# Altium PCB STM32F103C8T6.PcbDoc
Units mil, origin at the board's own origin, x right, y up, seen from the top; angles counter-clockwise.
Board outline 2460.63 x 2214.57 mil, 2 copper layers (Top Layer, Bottom Layer); 55 components, 55 nets, 218 pads, 86 vias.
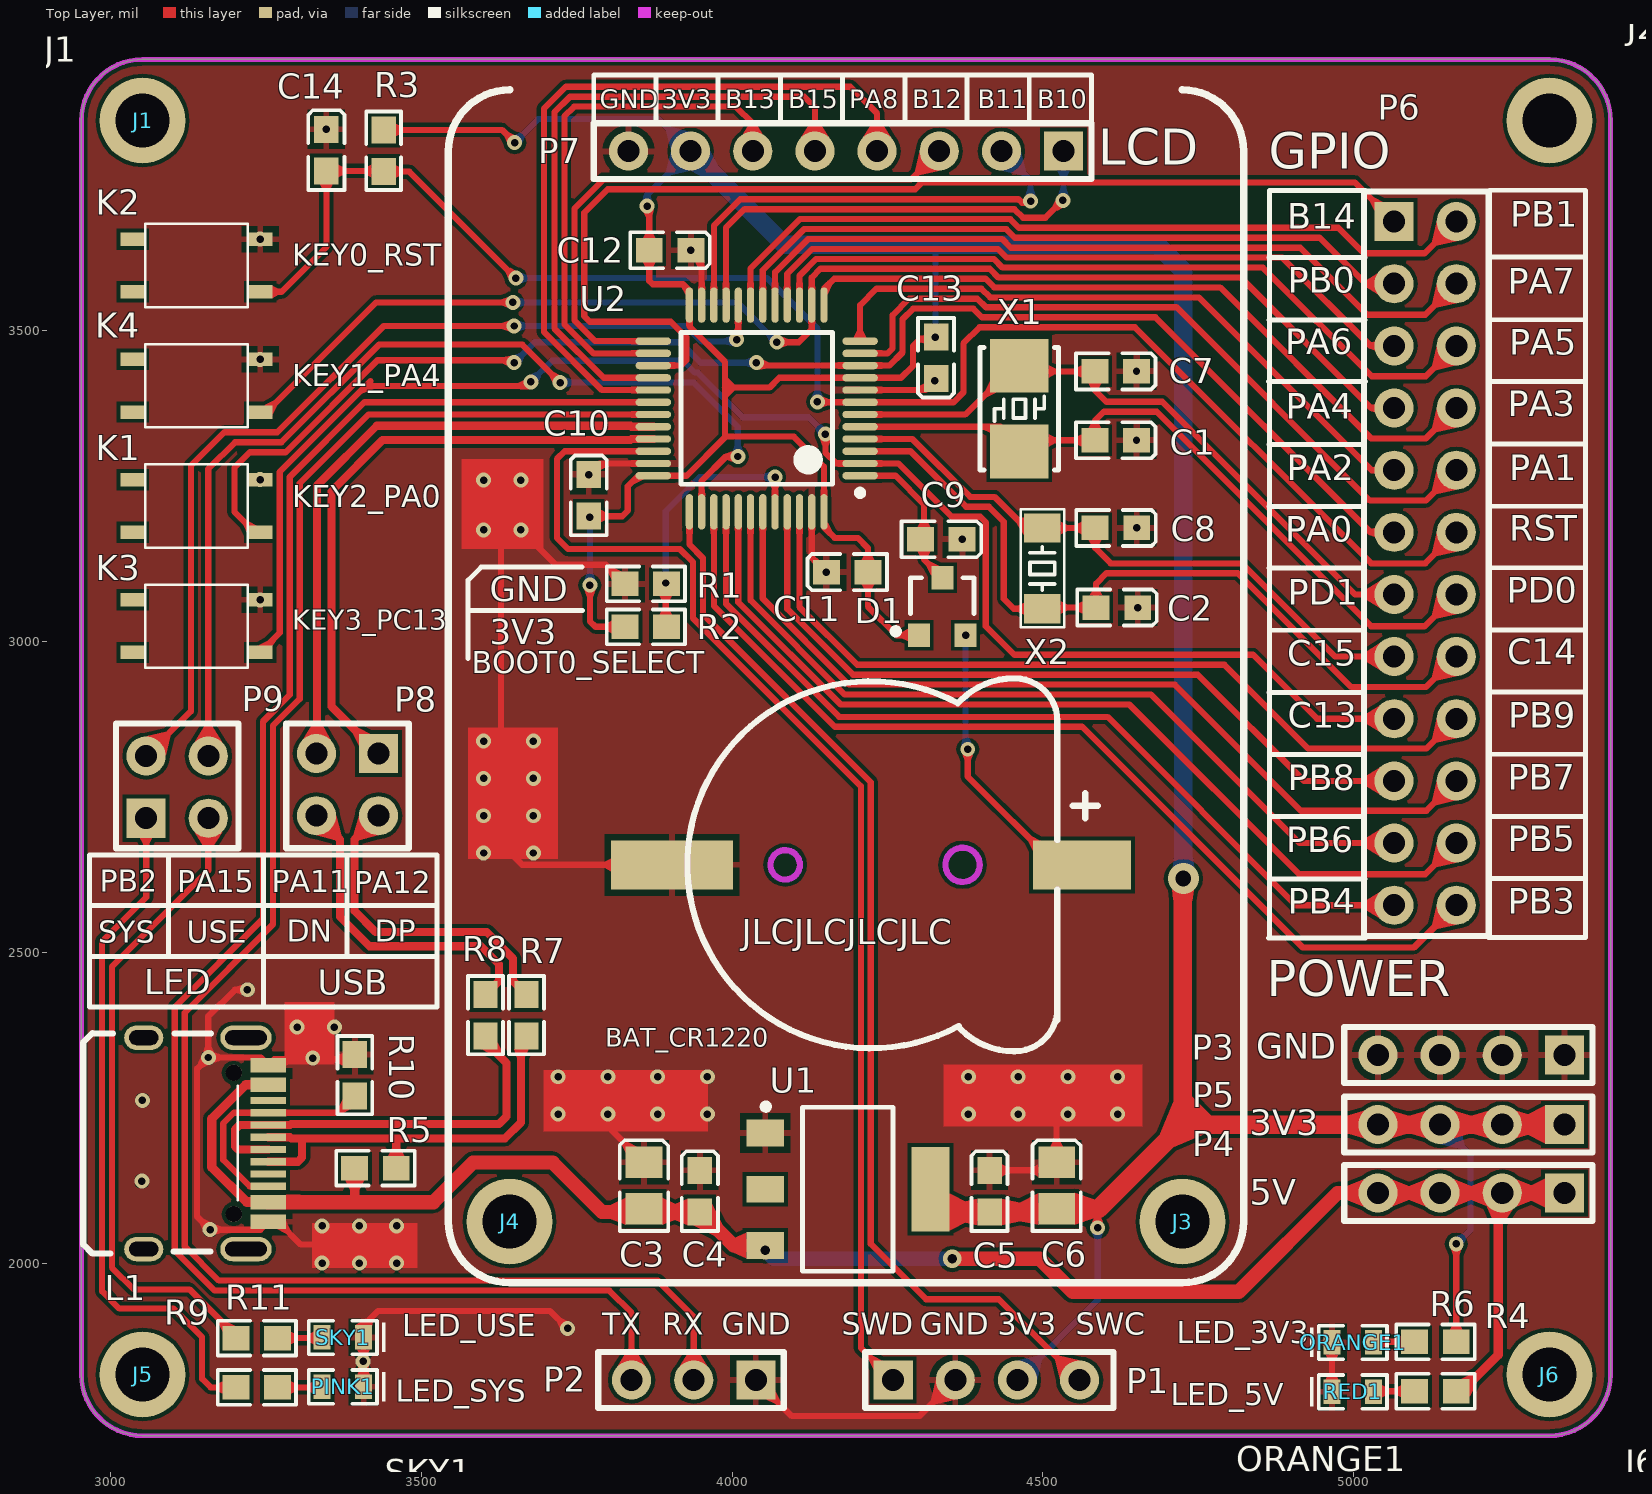
[diagram p0: Top Layer view]
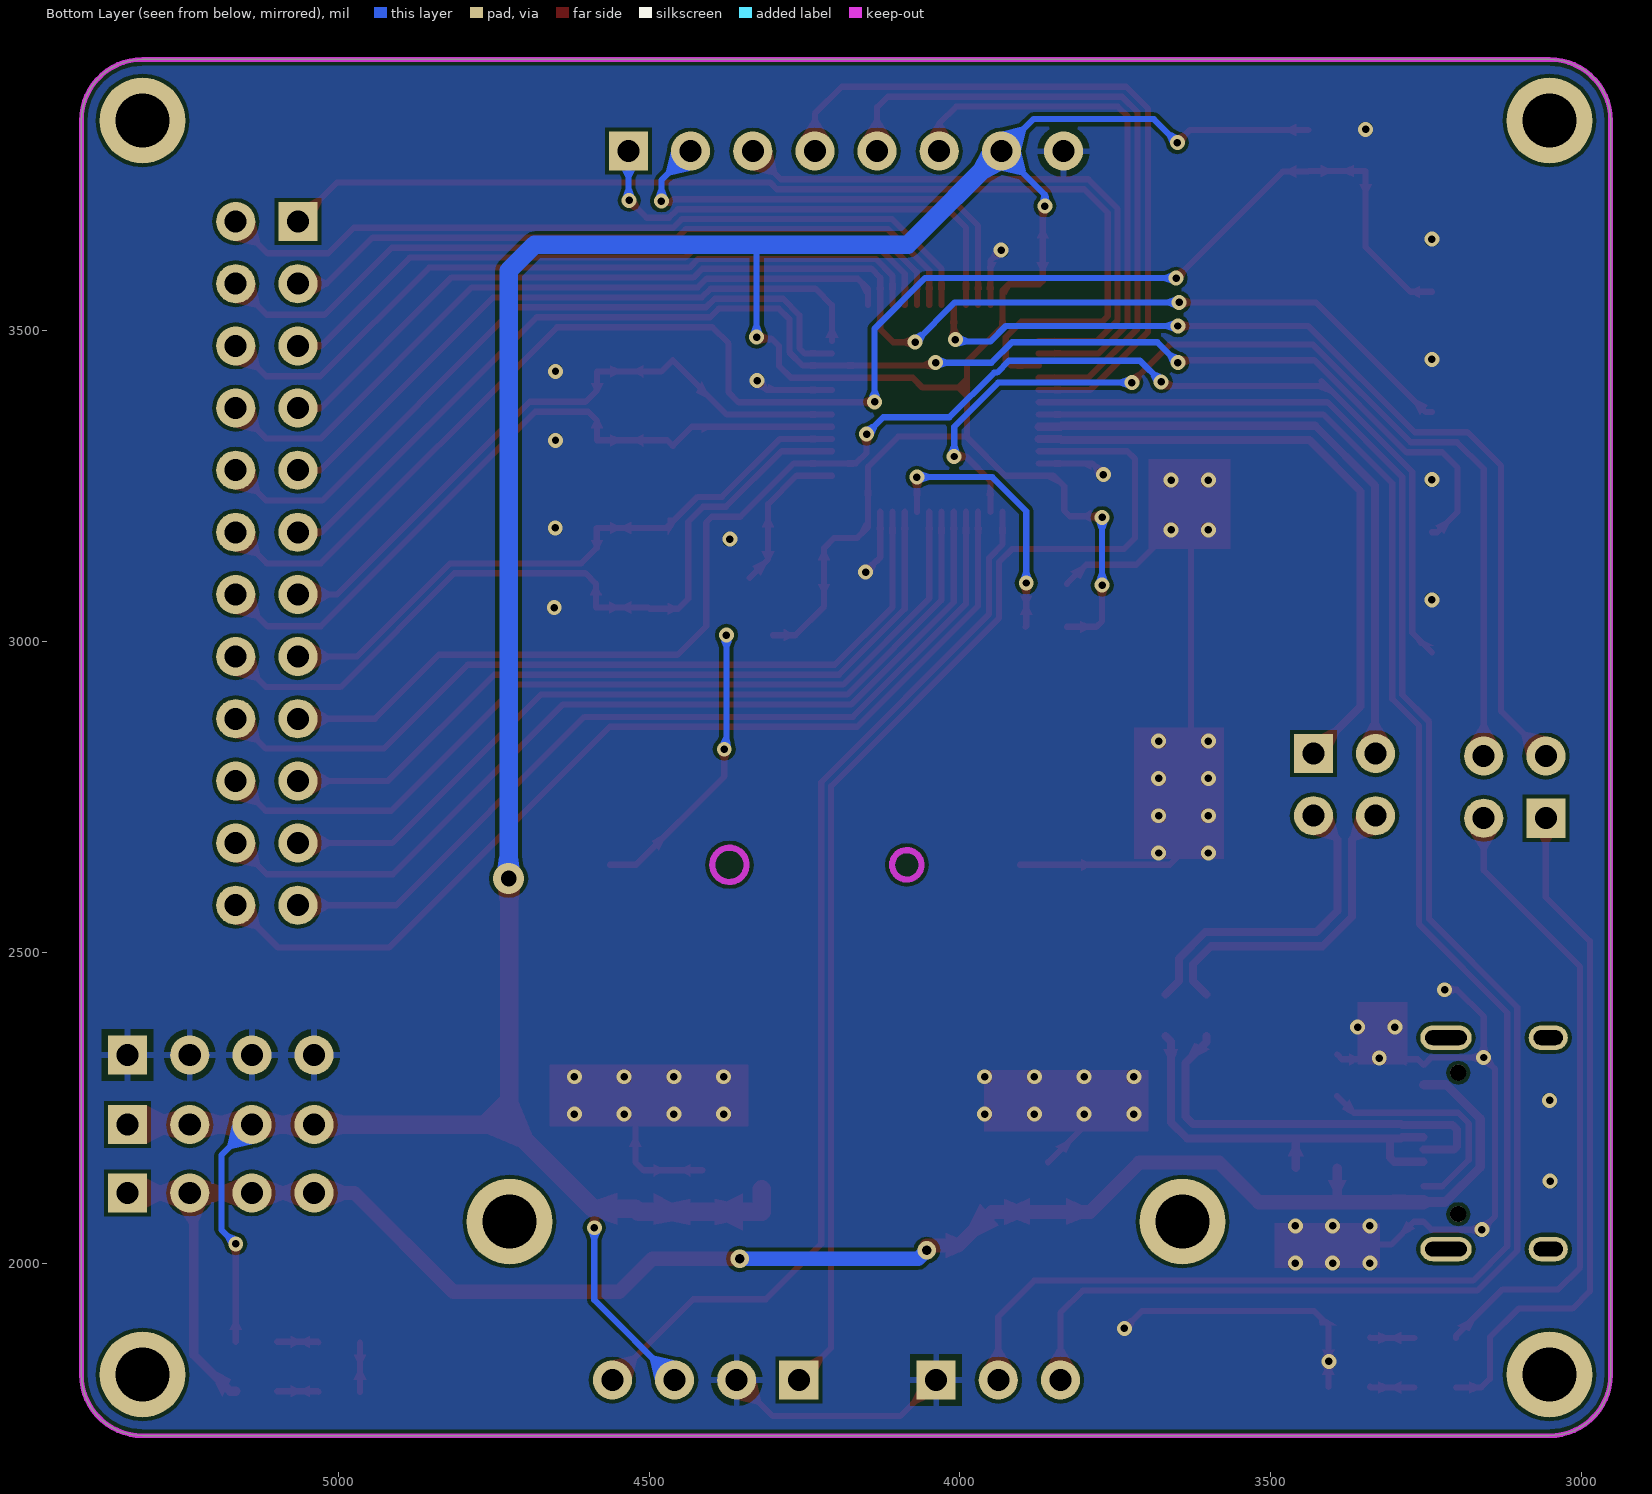
[diagram p1: Bottom Layer view, seen from below]
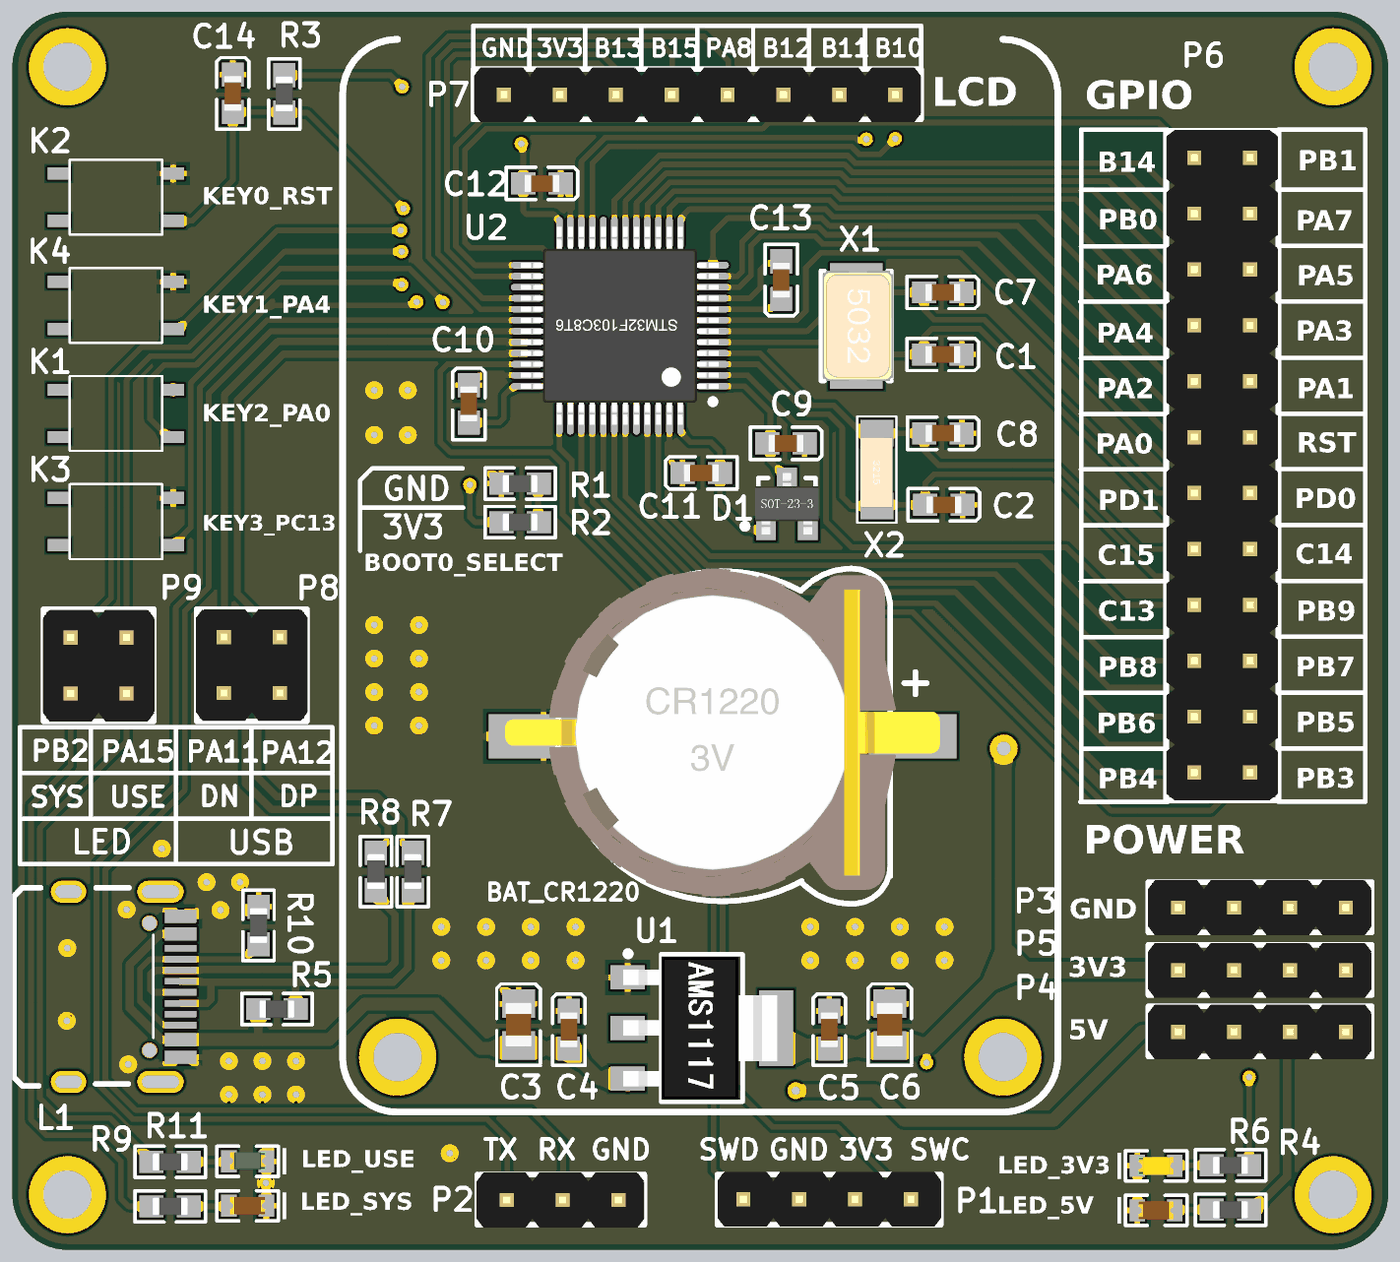
[diagram p2: 3D render of the assembled board from above, using the file's embedded part models]

## Layer stack, top to bottom
Top Solder: solder mask 0.4, Solder Resist, Dk 3.5
Top Layer: signal copper 1.4
Dielectric 1: dielectric 12.6, FR-4, Dk 4.8
Bottom Layer: signal copper 1.4
Bottom Solder: solder mask 0.4, Solder Resist, Dk 3.5

## Board outline
2952.76,1820.87 ccw(c3051.18,1820.87) 3051.18,1722.44 5314.96,1722.44 ccw(c5314.96,1820.87) 5413.39,1820.87 5413.39,3838.58 ccw(c5314.96,3838.58) 5314.96,3937.01 3051.18,3937.01 ccw(c3051.18,3838.58) 2952.76,3838.58

## Design rules (kind name [scope] priority, off if disabled: settings)
Clearance [All] p1: gap=6 ignorepadtopadclearanceinfootprint=FALSE
DiffPairsRouting [All] p1: maxlimit=10 minlimit=10 mostfreqgap=10 toplayer_minwidth=6 toplayer_maxwidth=15 toplayer_prefwidth=15 bottomlayer_minwidth=6 bottomlayer_maxwidth=15 bottomlayer_prefwidth=15 maxuncoupledlength=500
PolygonConnect [All] p1: thpad.connectstyle=Relief thpad.reliefconductorwidth=10 thpad.reliefentries=4 thpad.polygonreliefangle="90 Angle" thpad.airgapwidth=10 smdpad.connectstyle=Relief smdpad.reliefconductorwidth=10 smdpad.reliefentries=4 smdpad.polygonreliefangle="90 Angle" smdpad.airgapwidth=10 via.connectstyle=Relief via.reliefconductorwidth=10 via.reliefentries=4 via.polygonreliefangle="90 Angle" via.airgapwidth=0
RoutingVias [All] p1: holewidth=12 width=24 viastyle="Through Hole" minholewidth=12 minwidth=24 maxholewidth=100 maxwidth=100
SolderMaskExpansion [All] p1: expansion=4
Width [All] p1: maxlimit=100 minlimit=6 preferedwidth=10 minimp=50.000000 maximp=50.000000 favimp=50.000000
29 further rules are at their usual default settings.

## Classes and differential pairs
differential pair USBR: +USBR_P -USBR_N
differential pair USBIN: +USBIN_P -USBIN_N
differential pair USB: +USB_P -USB_N

## Components (designator, comment, footprint, x,y, rotation, side; value= is the part's Value field where it differs from the comment)
BAT_CR1220 "CR1220" CR1220-B 4563,2641 r0 top (schematic designator BAT1)
C1 "22pF" Cap-0603 4617,3324 r180 top
C2 "12pF" Cap-0603 4619,3055 r180 top
C3 "22uF" Cap-0805 3858,2125 r270 top
C4 "104" Cap-0603 3948,2116 r270 top
C5 "104" Cap-0603 4414,2116 r270 top
C6 "22uF" Cap-0805 4522,2125 r270 top
C7 "22pF" Cap-0603 4617,3435 r180 top
C8 "12pF" Cap-0603 4617.46,3183 r180 top
C9 "104" Cap-0603 4336.54,3165 r180 top
C10 "104" Cap-0603 3769,3235.46 r270 top
C11 "104" Cap-0603 4185,3112 r0 top
C12 "104" Cap-0603 3900,3630 r180 top
C13 "104" Cap-0603 4328,3457 r90 top
C14 "104" Cap-0603 3347,3791 r270 top
D1 "DIODE SCHOTTKY_2" SOT23-3 4338,3056.74 r0 top
J1 "HOLE_2mm" HOLE_2mm_1 3051.18,3838.58 r0 top
J2 "HOLE_2mm" HOLE_2mm_1 5314.96,3838.58 r0 top
J3 "HOLE_2mm" HOLE_2mm_1 4724.41,2066.93 r0 top
J4 "HOLE_2mm" HOLE_2mm_1 3641.73,2066.93 r0 top
J5 "HOLE_2mm" HOLE_2mm_1 3051.18,1820.87 r0 top
J6 "HOLE_2mm" HOLE_2mm_1 5314.96,1820.87 r0 top
K1 "KEY" SW-SMD-3X4X2.5 3138,3218.44 r180 top
K2 "KEY" SW-SMD-3X4X2.5 3138,3605.32 r180 top
K3 "KEY" SW-SMD-3X4X2.5 3138,3025 r180 top
K4 "KEY" SW-SMD-3X4X2.5 3138,3411.88 r180 top
L1 "Micro-USB3.1_TYPE-C" USB3.0-TYPEC-12P 3253.71,2318.76 r0 top
ORANGE1 "POWER_3V3" LED_0603_Y 4998.54,1872.53 r180 top
P1 "Header_4" "Header 2.54X4" 4409,1812 r0 top
P2 "Header_3" "Header 2.54X3" 3938,1812 r180 top
P3 "Header_4" "Header 2.54X4" 5189,2335 r180 top
P4 "Header_4" "Header 2.54X4" 5189,2113 r180 top
P5 "Header_4" "Header 2.54X4" 5189,2223 r180 top
P6 "Header_2X12" "Header 2.54_2X12" 5115,3126 r270 top
P7 "LCD" "Header 2.54X8" 4183.07,3789.37 r180 top
P8 "Header_2X2" "Header 2.54_2X2" 3381,2770 r180 top
P9 "Header_2X2" "Header 2.54_2X2" 3107,2766 r0 top
PINK1 "LED_SYSTEM" LED_0603_R 3373.45,1801.07 r0 top
R1 "10K" Res-0603 3861,3093 r180 top
R2 "NC" Res-0603 3861,3024 r180 top
R3 "10K" Res-0603 3439,3790 r90 top
R4 "4.7K" Res-0603 5131.54,1794 r0 top
R5 "1K5" Res-0603 3426,2153 r0 top
R6 "4.7K" Res-0603 5131.54,1873.53 r0 top
R7 "22R" Res-0603 3669,2399 r270 top
R8 "22R" Res-0603 3603,2399 r270 top
R9 "4.7K" Res-0603 3235,1800.07 r180 top
R10 "5K1" Res-0603 3393,2302.46 r270 top
R11 "4.7K" Res-0603 3235,1879.6 r180 top
RED1 "POWER_5V" LED_0603_R 4998.54,1793 r180 top
SKY1 "LED_USER" LED_0603_B 3373.45,1880.6 r0 top
U1 "AMS1117" AMS1117 4186,2119 r270 top
U2 "STM32F103C8T6" STM32F103C8T6 4039.37,3375.39 r180 top
X1 "8M" "OSC 5032-2P" 4462,3375 r270 top
X2 "32.768K" "OSC 3215-2P" 4499,3118 r270 top

## Footprints (in the part's own frame and the unit in brackets; to place one, negate y for a bottom-side part, rotate by r counter-clockwise, add the part's x,y. Pads: shape width x height; smd on the part's side, far side on the other; paste and mask are expansions set on the pad)
AMS1117 [mm]
  rect 1.1x1.55 smd: 1(-2.3,-3.375) 2(0,-3.375) 3(2.3,-3.375)
  rect 3.45x1.55 smd: 4(0,3.375)
  silkscreen extent -3.5,-3.48 3.35,1.85, body extent -3.25,-3.58 3.25,3.42, height 1.85
Cap-0603 [mm]
  rect 1.1x1 smd: 1(-0.85,0) 2(0.85,0)
  silkscreen extent -1.63,-0.74 1.63,0.74, body extent -0.8,-0.4 0.8,0.4, height 0.6
Cap-0805 [mm]
  rect 1.3x1.5 smd: 1(-0.95,0) 2(0.95,0)
  silkscreen extent -1.85,-0.99 1.85,0.99, body extent -1,-0.6 1,0.6, height 0.95
CR1220-B [mm]
  rect 4x2 smd: 1(0,0)
  rect 5x2 smd: 2(-16.764,0)
  Keep-Out Layer circle w0.254: c-12.136,0 r0.6
  Keep-Out Layer circle w0.254: c-4.886,0 r0.7
  silkscreen extent -16.13,-7.62 0.64,7.62, body extent -18.51,-7.28 1.24,7.62, height 4.05
"Header 2.54_2X2" [mm]
  rect 1.6x1.6 hole 0.9: 1(-1.27,-1.27)
  round 1.6 hole 0.9: 2(1.27,-1.27) 3(1.27,1.27) 4(-1.27,1.27)
  silkscreen extent -2.5,-2.5 2.5,2.6, body extent -2.54,-2.5 2.54,2.58, height 8.6
"Header 2.54_2X12" [mm]
  rect 1.6x1.6 hole 0.9: 1(-13.97,-1.27)
  round 1.6 hole 0.9: 2(-11.43,-1.27) 3(-8.89,-1.27) 4(-6.35,-1.27) 5(-3.81,-1.27) 6(-1.27,-1.27) 7(1.27,-1.27) 8(3.81,-1.27) 9(6.35,-1.27) 10(8.89,-1.27) 11(11.43,-1.27) 12(13.97,-1.27) 13(13.97,1.27) 14(11.43,1.27) 15(8.89,1.27) 16(6.35,1.27) 17(3.81,1.27) 18(1.27,1.27) 19(-1.27,1.27) 20(-3.81,1.27) 21(-6.35,1.27) 22(-8.89,1.27) 23(-11.43,1.27) 24(-13.97,1.27)
  silkscreen extent -15.2,-2.5 15.23,2.6, body extent -15.24,-2.5 15.24,2.58, height 8.6
"Header 2.54X3" [mm]
  rect 1.6x1.6 hole 0.9: 1(-2.54,0)
  round 1.6 hole 0.9: 2(0,0) 3(2.54,0)
  silkscreen extent -3.68,-1.14 3.9,1.14, body extent -3.68,-1.23 3.94,1.27, height 8.3
"Header 2.54X4" [mm]
  rect 1.6x1.6 hole 0.9: 1(-3.81,0)
  round 1.6 hole 0.9: 2(-1.27,0) 3(1.27,0) 4(3.81,0)
  silkscreen extent -4.95,-1.14 5.19,1.14, body extent -4.95,-1.23 5.21,1.27, height 8.3
"Header 2.54X8" [mm]
  rect 1.6x1.6 hole 0.9: 1(-8.89,0)
  round 1.6 hole 0.9: 2(-6.35,0) 3(-3.81,0) 4(-1.27,0) 5(1.27,0) 6(3.81,0) 7(6.35,0) 8(8.89,0)
  silkscreen extent -10.03,-1.14 10.31,1.14, body extent -10.03,-1.23 10.29,1.27, height 8.3
HOLE_2mm_1 [mm]
  round 3.5 hole 2.2: 1(0,0)
LED_0603_B [mm]
  rect 0.7x1 smd: 1(-0.85,0) 2(0.85,0)
  silkscreen extent -1.4,-0.69 1.75,0.69, body extent -0.8,-0.38 0.8,0.42, height 0.61
LED_0603_R [mm]
  rect 0.7x1 smd: 1(-0.85,0) 2(0.85,0)
  silkscreen extent -1.4,-0.69 1.75,0.69, body extent -0.8,-0.4 0.8,0.41, height 0.61
LED_0603_Y [mm]
  rect 0.7x1 smd: 1(-0.85,0) 2(0.85,0)
  silkscreen extent -1.4,-0.69 1.75,0.69, body extent -0.8,-0.4 0.8,0.41, height 0.61
"OSC 3215-2P" [mm]
  rect 1.2x1.5 smd: 1(-1.65,0) 2(1.65,0)
  silkscreen extent -2.41,-0.89 2.41,0.89, body extent -1.47,-0.76 1.73,0.74, height 0.61
"OSC 5032-2P" [mm]
  rect 2.2x2.4 smd: 1(-1.75,0) 2(1.75,0)
  silkscreen extent -2.5,-1.6 2.5,1.6, body extent -2.5,-1.52 2.5,1.68, height 0.86
Res-0603 [mm]
  rect 1.1x1 smd: 1(-0.85,0) 2(0.85,0)
  silkscreen extent -1.6,-0.71 1.6,0.71, body extent -0.8,-0.4 0.8,0.4, height 0.38
SOT23-3 [mm]
  rect 0.9x0.95 smd: 1(-0.95,-1.175) 2(0.95,-1.175) 3(0,1.175)
  silkscreen extent -2.03,-1.14 1.3,1.18, body extent -1.45,-1.4 1.45,1.4, height 1.2
STM32F103C8T6 [mm] "QFP, 100-Leads, Body 14.00x20.00mm, Pitch 0.65mm, IPC Medium Density"
  oval 1.45x0.3 smd: 1(-4.225,2.75) 2(-4.225,2.25) 3(-4.225,1.75) 4(-4.225,1.25) 5(-4.225,0.75) 6(-4.225,0.25) 7(-4.225,-0.25) 8(-4.225,-0.75) 9(-4.225,-1.25) 10(-4.225,-1.75) 11(-4.225,-2.25) 12(-4.225,-2.75) 25(4.225,-2.75) 26(4.225,-2.25) 27(4.225,-1.75) 28(4.225,-1.25) 29(4.225,-0.75) 30(4.225,-0.25) 31(4.225,0.25) 32(4.225,0.75) 33(4.225,1.25) 34(4.225,1.75) 35(4.225,2.25) 36(4.225,2.75)
  oval 0.3x1.45 smd: 13(-2.75,-4.225) 14(-2.25,-4.225) 15(-1.75,-4.225) 16(-1.25,-4.225) 17(-0.75,-4.225) 18(-0.25,-4.225) 19(0.25,-4.225) 20(0.75,-4.225) 21(1.25,-4.225) 22(1.75,-4.225) 23(2.25,-4.225) 24(2.75,-4.225) 37(2.75,4.225) 38(2.25,4.225) 39(1.75,4.225) 40(1.25,4.225) 41(0.75,4.225) 42(0.25,4.225) 43(-0.25,4.225) 44(-0.75,4.225) 45(-1.25,4.225) 46(-1.75,4.225) 47(-2.25,4.225) 48(-2.75,4.225)
  silkscreen extent -4.35,-3.1 3.1,3.57, body extent -4.5,-4.5 4.5,4.5, height 1.6
SW-SMD-3X4X2.5 [mm]
  rect 1x0.55 smd: 1(-2.6,1.075) 2(2.6,1.075) 3(-2.6,-1.075) 4(2.6,-1.075)
  silkscreen extent -2.1,-1.7 2.1,1.7, body extent -2.16,-1.75 2.16,1.78, height 0.55
USB3.0-TYPEC-12P [mm]
  oval 1.6x1 hole 0.6 slot 1.2 at 0 deg: 0(-5.095,-7.52) 0(-5.095,1.12)
  oval 2.1x1 hole 0.6 slot 1.7 at 0 deg: 0(-0.915,-7.52) 0(-0.915,1.12)
  round 0.66 hole 0.66: 4(-1.415,-6.09) 4(-1.415,-0.31)
  rect 1.45x0.6 smd: A1B12(0,0) A4B9(0,-0.8) B1A12(0,-6.4) B4A9(0,-5.6)
  rect 1.45x0.3 smd: A5(0,-1.95) A6(0,-2.95) A7(0,-3.45) A8(0,-4.45) B5(0,-4.95) B6(0,-3.95) B7(0,-2.45) B8(0,-1.45)
  silkscreen extent -7.57,-7.7 -1.25,1.3

## Part data
BAT_CR1220: "纽扣电池座"
C1 C2 C3 C4 C5 C6 C7 C8 C9 C10 C11 C12 C13 C14: library part CAP, "贴片陶瓷电容"
D1: "双肖特基二极管"
J1 J2 J3 J4 J5 J6: "定位孔"
ORANGE1: library part LED_SMD_ORANGE, "发光二极管", Package=0603, SuppliersPartNumber=C72038, ComponentLink1Description=供应商链接, ComponentLink1URL=http://www.szlcsc.com/product/details_73147.html, Supplier=LC
P7: library part Header_8
PINK1: library part LED_SMD_PINK, "发光二极管", Package=0603, SuppliersPartNumber=C2286, ComponentLink1Description=供应商链接, ComponentLink1URL=http://www.szlcsc.com/product/details_2659.html, Supplier=LC
R1 R2 R3 R4 R5 R6 R7 R8 R9 R10 R11: library part RES, "贴片电阻"
RED1: library part LED_SMD_RED, "发光二极管", Package=0603, SuppliersPartNumber=C2286, ComponentLink1Description=供应商链接, ComponentLink1URL=http://www.szlcsc.com/product/details_2659.html, Supplier=LC
SKY1: library part LED_SMD_BLUE_SKY, "发光二极管", Package=0603, SuppliersPartNumber=C72041, ComponentLink1Description=供应商链接, ComponentLink1URL=http://www.szlcsc.com/product/details_73150.html, Supplier=LC
U2: "ARM Cortex-M3 32-bit MCU, 64 KB Flash, 20 KB Internal RAM, 37 I/Os, 48-pin LQFP, -40 to 85 degC, Tray", I/Os (High Current)=37, Operating Frequency(F) (Processor speed) (MHz)=72, Supplier Part Number 1=497-6063-ND, Supply Voltage(Vcc) min (V)=2, A/D Converter="2x12-bit (10 Channel)", ComponentLink1Description="Manufacturer URL", ComponentLink1URL=http://www.st.com/web/en/home.html, ComponentLink2Description=Datasheet, ComponentLink2URL=http://www.st.com/st-web-ui/static/active/en/resource/technical/document/datasheet/CD00161566.pdf, ComponentLink3Description="Package Specification", ComponentLink3URL=http://www.st.com/st-web-ui/static/active/en/resource/technical/document/datasheet/DM00058181.pdf, Core="ARM Cortex-M3", DatasheetVersion="Rev. 16", FLASH Size (Prog) (kB)=64, Internal RAM Size (kB)=20, Mounting Technology="Surface Mount", PackageDescription="48-Pin Low Profile Quad Flat Package, 7 x 7 mm Body, 0.5 mm Pitch", PackageReference=LQFP48, PackageVersion="Rev. 6, 06/2013", Packing=Tray, PartNumber=STM32F103C8T6, Supplier 1=Digi-Key, Supplier 2=Farnell, Supplier 3=Newark, Supplier 4=Newark, Supplier 5=Mouser, Supplier Part Number 2=1447637, Supplier Part Number 3=59M2182, Supplier Part Number 4=57P1222, Supplier Part Number 5=511-STM32F103C8T6
X1 X2: library part XTAL-2P, "2脚无源脚晶振"

## Via types
v1: diameter 24, hole 12, Top Layer to Bottom Layer, 83 vias
v2: diameter 30, hole 15, Top Layer to Bottom Layer, 2 vias
v3: diameter 50, hole 25, Top Layer to Bottom Layer, 1 vias

## Nets (pads, with @x,y where several pads share a name; then routed paths per layer and width w, separated by ;. In a path a pad name is that pad's centre, name@x,y a point inside that pad or via, vN(x,y) a via of type N, cw(c..) or ccw(c..) an arc to the next point about the centre after c; other vN are vias at no path point)
3V3: C5.2 C6.2 C10.2 C11.2 C12.2 C13.2 D1.1 P1.3 P5.1 P5.2 P5.3 P5.4 P7.7 R2.2 R3.2 R6.2 U1.4 U2.9 U2.24 U2.36 U2.48 | length 6803.2
  Top Layer w10: R3.2 3629.54,3823.46 v1(3650,3803) ; v1(3771,3091) 3771,3033 3780,3024 R2.2 ; v1(3771,3200) C10.2 3823,3202 3832,3211 3832,3250 3849.12,3267.12 U2.36 3926.52,3267.12 3988.4,3329 ; v1(3863,3701) 3866.54,3697.46 C12.2 3866.54,3580.46 3872,3575 3921,3575 3931.1,3564.9 U2.24 3931.1,3507.53 3988.4,3450.23 3988.4,3409 ; D1.1 4264.52,3010.48 4218.46,3056.54 C11.2 4218.46,3150.54 4202,3167 4165,3167 4147.64,3184.36 U2.48 4147.64,3281.36 4099,3330 3989.4,3330 3988.4,3329 ; C13.2@4326,3486.93 4301.93,3486.93 4291,3476 4291,3444 4271.6,3424.6 U2.9 4075.6,3424.6 4060,3409 3988.4,3409 ; v1(4588,2057) 4588,2086 4589.6,2087.6 ; R6.2 v1(5165,2031) ; 3988.4,3329 3988.4,3409
  Top Layer w30: U1.4 4318.87,2082.54 C5.2 4516.94,2082.54 C6.2 4589.6,2087.6 4725,2223 ; v3(4726,2619) 4725,2620 4725,2223 ; P5.1 P5.2 P5.3 P5.4 4725,2223
  Bottom Layer w10: v1(3650,3803) 3688,3841 3881.44,3841 P7.7 3863,3719.3 v1(3863,3701) ; v1(3771,3091) v1(3771,3200) ; v1(4327,3490) 4327,3636 4330,3639 ; P1.3 4588,1941 v1(4588,2057) ; P5.3 5188,2174 5188,2054 v1(5165,2031)
  Bottom Layer w30: P7.7 4083.44,3639 4330,3639 4684,3639 4726,3597 v3(4726,2619)
5V: C3.2 C4.2 L1.A4B9 L1.B4A9 P4.1 P4.2 P4.3 P4.4 R4.2 R5.1 U1.3 | length 2982.1
  Top Layer w15: L1.B4A9 3218.71,2098.29 3162.5,2154.5 3162.5,2232.5 3217.27,2287.27 L1.A4B9 ; R5.1 3392.54,2099.76 3394,2098.29 ; R4.2 5174,1794 5232.56,1852.56 5232.56,2113 P4.2
  Top Layer w23: L1.B4A9 3394,2098.29 3519.29,2098.29 3583,2162 3711,2162 3790.46,2082.54 C4.2 4002.09,2028.45 U1.3 v2(4053.13,2020.87) ; v2(4354,2007) 4495,2007 4548,1954 4815,1954 4974,2113 P4.4 P4.3 P4.2@5232.56,2113 ; P4.2 P4.1
  Bottom Layer w23: v2(4053.13,2020.87) 4067,2007 v2(4354,2007)
A0: P7.3 U2.25 | length 946
  Top Layer w10: U2.25 3779.6,3483.65 3746,3517.25 3746,3697 3793,3744 4287.7,3744 P7.3
BLK: P7.1 U2.21 | length 776.1
  Top Layer w10: U2.21 3990.16,3666.53 4019.63,3696 4454,3696 4468,3682 4504,3682 v1(4532,3710)
  Bottom Layer w10: v1(4532,3710) 4533.07,3711.07 P7.1
CS: P7.2 U2.22 | length 760.2
  Top Layer w10: U2.22 3970.47,3669.47 4013,3712 4460.63,3712 4466.63,3706 4480,3706 v1(4480,3709)
  Bottom Layer w10: P7.2 4480,3742.44 v1(4480,3709)
GND: BAT_CR1220.2 C1.1 C2.1 C3.1 C4.1 C5.1 C6.1 C7.1 C8.1 C9.1 C10.1 C11.1 C12.1 C13.1 C14.1 K1.3 K2.3 K3.3 K4.3 L1.A1B12 L1.B1A12 ORANGE1.2 P1.2 P2.1 P3.1 P3.2 P3.3 P3.4 P7.8 PINK1.2 R1.2 R10.1 RED1.2 SKY1.2 U1.1 U2.8 U2.23 U2.35 U2.47 | length 3757.3
  Top Layer w10: v1(3220,2440) 3200,2440 3157,2397 v1(3157,2331) ; R10.1 3385.07,2328 3262.94,2328 L1.A1B12 3241.47,2331 v1(3157,2331) ; PINK1.2 SKY1.2 3406.91,1899.91 3430,1923 3707,1923 v1(3735,1895) ; 3411,2030 3306,2030 3269.2,2066.8 L1.B1A12 3240.91,2054 v1(3160,2054) 3139,2075 3139,2313 v1(3157,2331) ; 3628,3231 3628,2675 3662,2641 BAT_CR1220.2 ; v1(3660,3180) 3716,3124 3796.54,3124 R1.2 ; 3726,2259 3761.4,2259 C3.1 ; v1(3769,3268.93) 3786.87,3286.8 U2.35 ; v1(3933.46,3630) 3950.79,3612.68 U2.23 ; P2.1 4096,1754 4301,1754 P1.2 ; U2.47 4127.95,3135.58 v1(4151.54,3112) ; U2.8 4310.91,3404.91 v1(4326,3420) ; C5.1 4509.06,2149.46 C6.1 4522,2258 4500,2280 ; RED1.2 ORANGE1.2
  other v1: 3406,1842 3340,2000 3400,2000 3460,2000 3340,2060 3400,2060 3460,2060 3050,2132 3720,2240 3800,2240 3880,2240 3960,2240 4380,2240 4460,2240 4540,2240 4620,2240 3051,2262 3720,2300 3800,2300 3880,2300 3960,2300 4380,2300 4460,2300 4540,2300 4620,2300 3325,2330 3300,2380 3360,2380 3600,2660 3680,2660 3600,2720 3680,2720 3600,2780 3680,2780 3600,2840 3680,2840 4652.46,3055 3240.36,3067.32 4370,3165 3600,3180 4650.93,3183 3600,3260 3660,3260 3240.36,3260.76 4650.46,3324 4650.46,3435 3240.36,3454.2 3240.36,3647.65 3347,3824.46
NetBAT1_1: BAT_CR1220.1 D1.2 | length 471.8
  Top Layer w10: v1(4379,2827) 4379,2783 4521,2641 BAT_CR1220.1
  Bottom Layer w10: v1(4375.4,3010.48) 4375.4,2830.6 v1(4379,2827)
NetL1_A5: L1.A5 L1.B5 R10.2 | length 379.1
  Top Layer w10: L1.B5 3223.39,2123.88 3181,2166.27 3181,2224.84 3198.16,2241.99 L1.A5 3365.99,2241.99 R10.2
NetORANGE1_1: ORANGE1.1 R6.1 | length 66.5
  Top Layer w10: ORANGE1.1 5033,1873.53 R6.1
NetP9_1: P9.1 R9.2 | length 1109.4
  Top Layer w10: P9.1 3057,2589 2986,2518 2986,1955 3014,1927 3101,1927 3147,1881 3147,1814 3160.93,1800.07 R9.2
NetP9_2: P9.2 R11.2 | length 1035.7
  Top Layer w10: P9.2 3157,2632 3002,2477 3002,1993 3037.23,1957.77 3126.77,1957.77 3201.54,1883 R11.2
NetPINK1_1: PINK1.1 R9.1 | length 71.9
  Top Layer w10: R9.1 3338.98,1800.07 PINK1.1
NetR1_1: R1.1 R2.1 U2.44 | length 443.2
  Top Layer w10: R2.1 3893,3025.46 v1(3893,3094.46) R1.1 ; U2.44 v1(4068.9,3264.9)
  Bottom Layer w10: v1(3893,3094.46) 3893,3210 3947.9,3264.9 v1(4068.9,3264.9)
NetR4_1: R4.1 RED1.1 | length 66.5
  Top Layer w10: RED1.1 5033,1794 R4.1
NetR11_1: R11.1 SKY1.1 | length 71.9
  Top Layer w10: R11.1 3338.98,1879.6 SKY1.1
NRST: C14.2 K2.1 P6.19 R3.1 U2.7 | length 2575.5
  Top Layer w10: K2.1 3275,3563 3347,3635 C14.2 ; C14.2@3347.54,3757 C14.2 ; v1(3652,3585) 3480.46,3756.54 R3.1 3438,3757.54 C14.2 ; v1(4137,3386) 4137.77,3385.23 U2.7 4356.23,3385.23 4372,3401 4372,3480 4398,3506 4648,3506 5028,3126 5115,3126 P6.19
  Bottom Layer w10: v1(3652,3585) 4056,3585 4137,3504 v1(4137,3386)
OSC32_IN: C2.2 P6.17 U2.3 X2.2 | length 1279.2
  Top Layer w10: U2.3 4286.88,3306.49 4376.37,3217 4413,3217 4437,3193 4437,3069 4452.96,3053.04 X2.2 4500.96,3055 C2.2 4585.54,3093.54 4602,3110 4813.37,3110 4996.37,2927 5116,2927 P6.17
OSC32_OUT: C8.2 P6.8 U2.4 X2.1 | length 1023.1
  Top Layer w10: U2.4 4289.83,3326.17 4383,3233 4422,3233 4472.04,3182.96 X2.1 X2.1 C8.2 4584,3151 4609,3126 4820,3126 4970,2976 P6.8
OSC_IN: C1.2 P6.18 U2.5 X1.2 | length 1177.3
  Top Layer w10: U2.5 4431.24,3345.86 4462,3315.1 4470.9,3324 C1.2 4583.54,3355.54 4598,3370 4683,3370 5028,3025 5114,3025 P6.18
OSC_OUT: C7.2 P6.7 U2.6 X1.1 | length 1069.5
  Top Layer w10: U2.6 4374.65,3365.54 4462,3452.9 4479.9,3435 C7.2 4583.54,3404.46 4602,3386 4692,3386 5002,3076 P6.7
PA0: K1.1 P6.6 U2.10 | length 2315.7
  Top Layer w10: K1.1 3231.88,3176.12 3199,3209 3199,3280 3224,3305 3281.25,3305 3429.25,3453 3638.75,3453 v1@3649,3442.75 ; v1(4039,3449) 4043.72,3444.28 U2.10 4252.91,3444.28 4274,3465.37 4274,3519 4291,3536 4387.73,3536 4401.73,3522 4681,3522 5027,3176 P6.6
  Bottom Layer w10: v1(3649,3449) 3682,3482 3916,3482 3949,3449 v1(4039,3449)
PA1: P6.20 U2.11 | length 1182.1
  Top Layer w10: U2.11 4249.97,3463.97 4258,3472 4258,3525.63 4284.37,3552 4394.35,3552 4408.35,3538 4715,3538 5026,3227 5116,3227 P6.20
PA2: P6.5 U2.12 | length 1049.2
  Top Layer w10: U2.12 4205.71,3541.71 4232,3568 4400.98,3568 4414.98,3554 4751,3554 5029,3276 P6.5
PA3: P6.21 U2.13 | length 1176.8
  Top Layer w10: U2.13 4147.64,3567.64 4164,3584 4407.61,3584 4421.61,3570 4785,3570 5028,3327 5116,3327 P6.21
PA4: K4.1 P6.4 U2.14 | length 2114.5
  Top Layer w10: K4.1 3250.56,3369.56 3427,3546 v1(3647,3546) ; v1(4072,3482) 4107,3482 4127.95,3502.95 U2.14 4127.95,3585.95 4142,3600 4414.24,3600 4428.24,3586 4818,3586 5028,3376 P6.4
  Bottom Layer w10: v1(3647,3546) 4008,3546 v1(4072,3482)
PA5: P6.22 U2.15 | length 1213.7
  Top Layer w10: U2.15 4108.27,3588.9 4135.37,3616 4420.86,3616 4434.86,3602 4854,3602 5029,3427 5116,3427 P6.22
PA6: P6.3 U2.16 | length 1107.8
  Top Layer w10: U2.16 4088.58,3591.84 4128.75,3632 4427.49,3632 4441.49,3618 4885,3618 5027,3476 P6.3
PA7: P6.23 U2.17 | length 1242.4
  Top Layer w10: U2.17 4068.9,3594.78 4122.12,3648 4434.12,3648 4448.12,3634 4914,3634 5022,3526 5115,3526 P6.23
PA8: P7.4 U2.29 | length 1203.1
  Top Layer w10: U2.29 3790.46,3404.91 3697,3498.37 3697,3857.63 3732.37,3893 4190,3893 4233.07,3849.93 P7.4
PA9: P2.3 U2.30 | length 2840.7
  Top Layer w10: P2.3 3838,1920 3802,1956 3167.37,1956 3103,2020.37 3103,2412 3245,2554 3245,2871.63 3288,2914.63 3288,3265 3408.23,3385.23 U2.30
PA10: P2.2 U2.31 | length 2887.3
  Top Layer w10: U2.31 3414.54,3365.54 3304,3255 3304,2908 3261,2865 3261,2545 3119,2403 3119,2027 3174,1972 3880,1972 3938,1914 P2.2
PA15: P9.3 U2.38 | length 1623.7
  Top Layer w10: P9.3 3157,3278 3200,3321 3274.63,3321 3431.63,3478 3662,3478 v1(3723,3417) ; U2.38 3950.79,3258.79 3990,3298 v1(4009,3298)
  Bottom Layer w10: v1(3723,3417) 3938,3417 4009,3346 v1(4009,3298)
PB0: P6.2 U2.18 | length 1135.7
  Top Layer w10: U2.18 4049.21,3597.72 4115.49,3664 4440.75,3664 4454.75,3650 4945,3650 5019,3576 P6.2
PB1: P6.24 U2.19 | length 1271.2
  Top Layer w10: U2.19 4029.53,3600.66 4108.86,3680 4447.37,3680 4461.37,3666 4975,3666 5016,3625 5114,3625 P6.24
PB2: P9.4 U2.20 | length 1535.3
  Top Layer w10: P9.4 3129,2888 3129,3283 3183,3337 3268,3337 3439,3508 v1(3649,3508) ; v1(4007,3486) 4009.84,3488.84 U2.20
  Bottom Layer w10: v1(3649,3508) 3926,3508 3951,3483 v1@4007,3483
PB3: P6.13 U2.39 | length 1601.7
  Top Layer w10: U2.39 3970.47,3057.76 4165.24,2863 4563,2863 4918,2508 5097,2508 P6.13
PB4: P6.12 U2.40 | length 1424
  Top Layer w10: U2.40 3990.16,3060.71 4171.86,2879 4604,2879 4907,2576 P6.12
PB5: P6.14 U2.41 | length 1502.5
  Top Layer w10: U2.41 4009.84,3063.65 4174.49,2899 4639,2899 4912,2626 5115,2626 P6.14
PB6: P6.11 U2.42 | length 1339.7
  Top Layer w10: U2.42 4029.53,3066.59 4181.12,2915 4674,2915 4913,2676 P6.11
PB7: P6.15 U2.43 | length 1416.7
  Top Layer w10: U2.43 4049.21,3069.53 4187.75,2931 4712,2931 4915,2728 5117,2728 P6.15
PB8: P6.10 U2.45 | length 1247.3
  Top Layer w10: U2.45 4088.58,3052.79 4194.37,2947 4749,2947 4920,2776 P6.10
PB9: P6.16 U2.46 | length 1324.3
  Top Layer w10: U2.46 4108.27,3055.73 4201,2963 4792,2963 4927,2828 5117,2828 P6.16
PB13: P7.6 U2.26 | length 862.4
  Top Layer w10: U2.26 3776.66,3463.97 3730,3510.63 3730,3845.37 3745.63,3861 4006,3861 4033.07,3833.93 P7.6
PB14: P6.1 U2.27 | length 1787.3
  Top Layer w10: U2.27 3917.28,3444.28 3926,3453 3926,3490 3901,3515 3770.88,3515 3762,3523.88 3762,3690.37 3799.63,3728 4294.33,3728 4305.33,3739 5002,3739 P6.1
PB15: P7.5 U2.28 | length 1047
  Top Layer w10: U2.28 3793.4,3424.6 3714,3504 3714,3852 3739,3877 4116,3877 4133.07,3859.93 P7.5
PC13: K3.1 P6.9 U2.2 | length 2535.2
  Top Layer w10: K3.1 3272,3014.32 3272,3273.12 3410.44,3411.56 ; 3417.88,3419 3410.44,3411.56 ; v1(3676,3418) 3669.56,3411.56 3410.44,3411.56 ; v1(4150,3334) 4150,3304 4167.2,3286.8 U2.2 4267.2,3286.8 4353,3201 4399,3201 4408,3192 4408,3025 4454,2979 4838,2979 4941,2876 P6.9
  Bottom Layer w10: v1(3676,3418) 3710,3452 3921,3452 3940,3433 3944.63,3433 4016.63,3361 4123,3361 v1(4150,3334)
SWCLK: P1.4 U2.37 | length 1725.7
  Top Layer w10: U2.37 3931.1,3156.53 3953,3134.63 3953,3044 4223,2774 4223,2031 4312,1942 4429,1942 P1.4
SWDIO: P1.1 U2.34 | length 1971.7
  Top Layer w10: U2.34 3730.49,3306.49 3718,3294 3718,3167 3736,3149 3916,3149 3937,3128 3937,3037.37 4207,2767.37 4207,1864 P1.1
USB_N: P8.2 U2.32 | length 1013.4
  Top Layer w13: P8.2 3332,2821 3332,3251.53 3427.99,3347.52 3836.33,3347.52 3837.99,3345.86 U2.32
USB_P: P8.1 U2.33 | length 1006.4
  Top Layer w13: P8.1 3355,2896 3355,3242 3437.52,3324.52 3836.33,3324.52 3837.99,3326.17 U2.33
USBIN_N: L1.A7 L1.B7 R8.2 | length 672.1
  Top Layer w13: L1.A7 3205.06,2182.94 3200,2188 3200,2215 3207.31,2222.31 L1.B7 3288.75,2222.31 3290.41,2223.96 3625,2223.96 3637,2235.96 3637,2322 3603,2356 R8.2
USBIN_P: L1.A6 L1.B6 R5.2 R7.2 | length 697.4
  Top Layer w13: L1.B6 3301.25,2163.25 3308,2170 3308,2198.96 3310,2200.96 ; L1.A6 3288.75,2202.62 3290.41,2200.96 3310,2200.96 ; R5.2 3459.46,2200.5 3459,2200.96 ; R7.2 3660,2356.54 3660,2226.44 3634.53,2200.96 3459,2200.96 ; 3310,2200.96 3459,2200.96
USBR_N: P8.3 R8.1 | length 522.9
  Top Layer w13: P8.3 3369,2682 3369,2557.47 3416.47,2510 3595.5,2510 3624.5,2481 3624.5,2453.96 R8.1
USBR_P: P8.4 R7.1 | length 523.9
  Top Layer w13: P8.4 3430,2720 3392,2682 3392,2567 3426,2533 3605.03,2533 3647.5,2490.53 3647.5,2453.96 R7.1
VBAT: C9.2 D1.3 U2.1 | length 252.4
  Top Layer w10: U2.1 4262.88,3267.12 4308.54,3221.46 4308.54,3172 4308.54,3132.46 D1.3
pads on no net: J1.1 J2.1 J3.1 J4.1 J5.1 J6.1 K1.2 K1.4 K2.2 K2.4 K3.2 K3.4 K4.2 K4.4 L1.0 L1.4 L1.A8 L1.B8 U1.2

## Polygon pours and split planes (outlines as drawn)
GND on Bottom Layer "Layer" (solid, remove dead copper, pour order 4): 2896,4048 5350,4048 5538,3860 5483,3805 5483,1639 2939,1639 2883,1695
GND on Top Layer "Layer" (solid, remove dead copper, pour order 6): 2889,3983 2909,4003 5473,4003 5473,1720 5363,1610 2964,1610

## Keep-outs
Keep-Out Layer:
  the board outline again, w7.87

## Other copper
Top Layer:
  rectangle net GND: 3564,3149 3696,3294
  rectangle net GND: 3575,2650 3720,2862
  rectangle net GND: 4340,2220 4660,2320
  rectangle net GND: 3696,2212 3961,2311
  rectangle net GND: 3280,2320 3360,2420
  rectangle net GND: 3324,1992 3494,2065

## Silkscreen, mask and mechanical layers (free items; w line width, h text height)
Top Overlay:
  lines w7.87: 2966,2493.67 3525,2493.67 ; 2966,2575.33 3525,2575.33 ; 3092.75,2493.67 3092.75,2657 ; 3245.5,2412 3245.5,2657 ; 3380.25,2493.67 3380.25,2657 ; 3575,2973 3575,3099 3596,3120 3758,3120 ; 3580,3050 3759,3050 ; 3777.17,3834.37 3777.17,3912 4578.07,3912 4578.07,3834.37 ; 3877.28,3834.37 3877.28,3912 ; 3977.39,3834.37 3977.39,3912 ; 4077.5,3834.37 4077.5,3912 ; 4177.62,3834.37 4177.62,3912 ; 4277.73,3834.37 4277.73,3912 ; 4377.84,3834.37 4377.84,3912 ; 4477.96,3834.37 4477.96,3912 ; 4863,2523.49 5019,2523.49 ; 4863,3418.49 5019,3418.49 ; 4864,2918.49 5017,2918.49 ; 4864,3118.49 5017,3118.49 ; 4864,3217.5 5017.02,3217.5 ; 4864,3317.49 5017,3317.49 ; 4864,3517.49 5018,3517.49 ; 4864,3618.49 5018,3618.49 ; 4864.2,2523.49 4864.2,3726 5019,3726 ; 4864.2,2618.49 5018,2618.49 ; 4864.2,2718.49 5017,2718.49 ; 4864.2,2818.49 5016,2818.49 ; 4864.2,3018.49 5017,3018.49 ; 5216.8,2523.97 5372.8,2523.97 5372.8,3726.48 5218,3726.48 ; 5216.8,3418.97 5372.8,3418.97 ; 5217.8,2918.97 5370.8,2918.97 ; 5217.8,3118.97 5370.8,3118.97 ; 5217.8,3217.98 5370.81,3217.98 ; 5217.8,3317.97 5370.8,3317.97 ; 5217.8,3517.97 5371.8,3517.97 ; 5217.8,3618.97 5371.8,3618.97 ; 5218,2618.97 5371.8,2618.97 ; 5218,2718.97 5370.8,2718.97 ; 5218,2818.97 5369.8,2818.97 ; 5218,3018.97 5370.8,3018.97 ; 2966,2412 2966,2657 3525,2657 3525,2412 2966,2412
  lines w12: 3641.73,3887.8 ccw(c3641.73,3789.37) 3543.31,3789.37 3543.31,2066.93 ccw(c3641.73,2066.93) 3641.73,1968.5 4724.41,1968.5 ccw(c4724.41,2066.93) 4822.83,2066.93 4822.83,3789.37 ccw(c4724.41,3789.37) 4724.41,3887.8
  text "GND" at 3787,3858 h30
  text "3V3" at 3887,3858 h30
  text "B13" at 3989,3858 h30
  text "B15" at 4090,3858 h30
  text "PA8" at 4188,3858 h30
  text "B12" at 4290,3858 h30
  text "B11" at 4395,3858 h30
  text "B10" at 4491,3858 h30
  text "LCD" at 4589,3748 h100
  text "GPIO" at 4863,3742.03 h100
  text "PB1" at 5251.55,3653.71 h70
  text "B14" at 4893,3651 h70
  text "KEY0_RST" at 3292,3593 h60
  text "PB0" at 4894,3548 h70
  text "PA7" at 5248,3546 h70
  text "PA6" at 4890,3449 h70
  text "PA5" at 5250,3448 h70
  text "KEY1_PA4" at 3292,3398.67 h60
  text "PA3" at 5248,3349 h70
  text "PA4" at 4891,3345 h70
  text "PA2" at 4892,3246 h70
  text "PA1" at 5250,3246 h70
  text "KEY2_PA0" at 3292,3204.33 h60
  text "RST" at 5250,3149 h70
  text "PA0" at 4890,3147 h70
  text "GND" at 3610,3065 h40
  text "PD0" at 5246,3049 h70
  text "PD1" at 4894,3046 h70
  text "KEY3_PC13" at 3292,3009 h55
  text "3V3" at 3610,2996 h40
  text "C14" at 5247,2950 h70
  text "C15" at 4893,2948 h70
  text "BOOT0_SELECT" at 3581,2937 h60
  text "C13" at 4894,2848 h70
  text "PB9" at 5248.8,2847.97 h70
  text "PB7" at 5247.8,2747.97 h70
  text "PB8" at 4894,2747.49 h70
  text "PB5" at 5248,2649 h70
  text "PB6" at 4891.76,2647.23 h70
  text "PB2" at 2982,2598 h35
  text "PA15" at 3107,2597 h35
  text "PA11" at 3259,2597 h35
  text "PA12" at 3392,2595 h35
  text "PB3" at 5247.55,2548.71 h70
  text "PB4" at 4893.76,2548.23 h70
  text "DN" at 3283,2517 h35
  text "DP" at 3425,2517 h35
  text "SYS" at 2980,2516 h35
  text "USE" at 3122,2516 h35
  text "JLCJLCJLCJLC" at 4015,2513 h40
  text "LED" at 3054,2433 h40
  text "USB" at 3333,2432 h40
  text "POWER" at 4860,2410 h100
  text "GND" at 4843,2315 h70
  text "3V3" at 4832.95,2192.32 h70
  text "5V" at 4832.95,2080.32 h70
  text "TX" at 3791,1885 h35
  text "RX" at 3887.17,1885 h35
  text "GND" at 3983.33,1885 h35
  text "SWD" at 4176,1885 h35
  text "GND" at 4301.67,1885 h35
  text "3V3" at 4427.33,1885 h35
  text "SWC" at 4553,1885 h35
  text "LED_USE" at 3469,1870 h60
  text "LED_3V3" at 4715,1859 h60
  text "LED_SYS" at 3459,1765.14 h60
  text "LED_5V" at 4706,1759.14 h60